# KiCad board PROC099A_PCB-PcbDoc.kicad_pcb (continued)
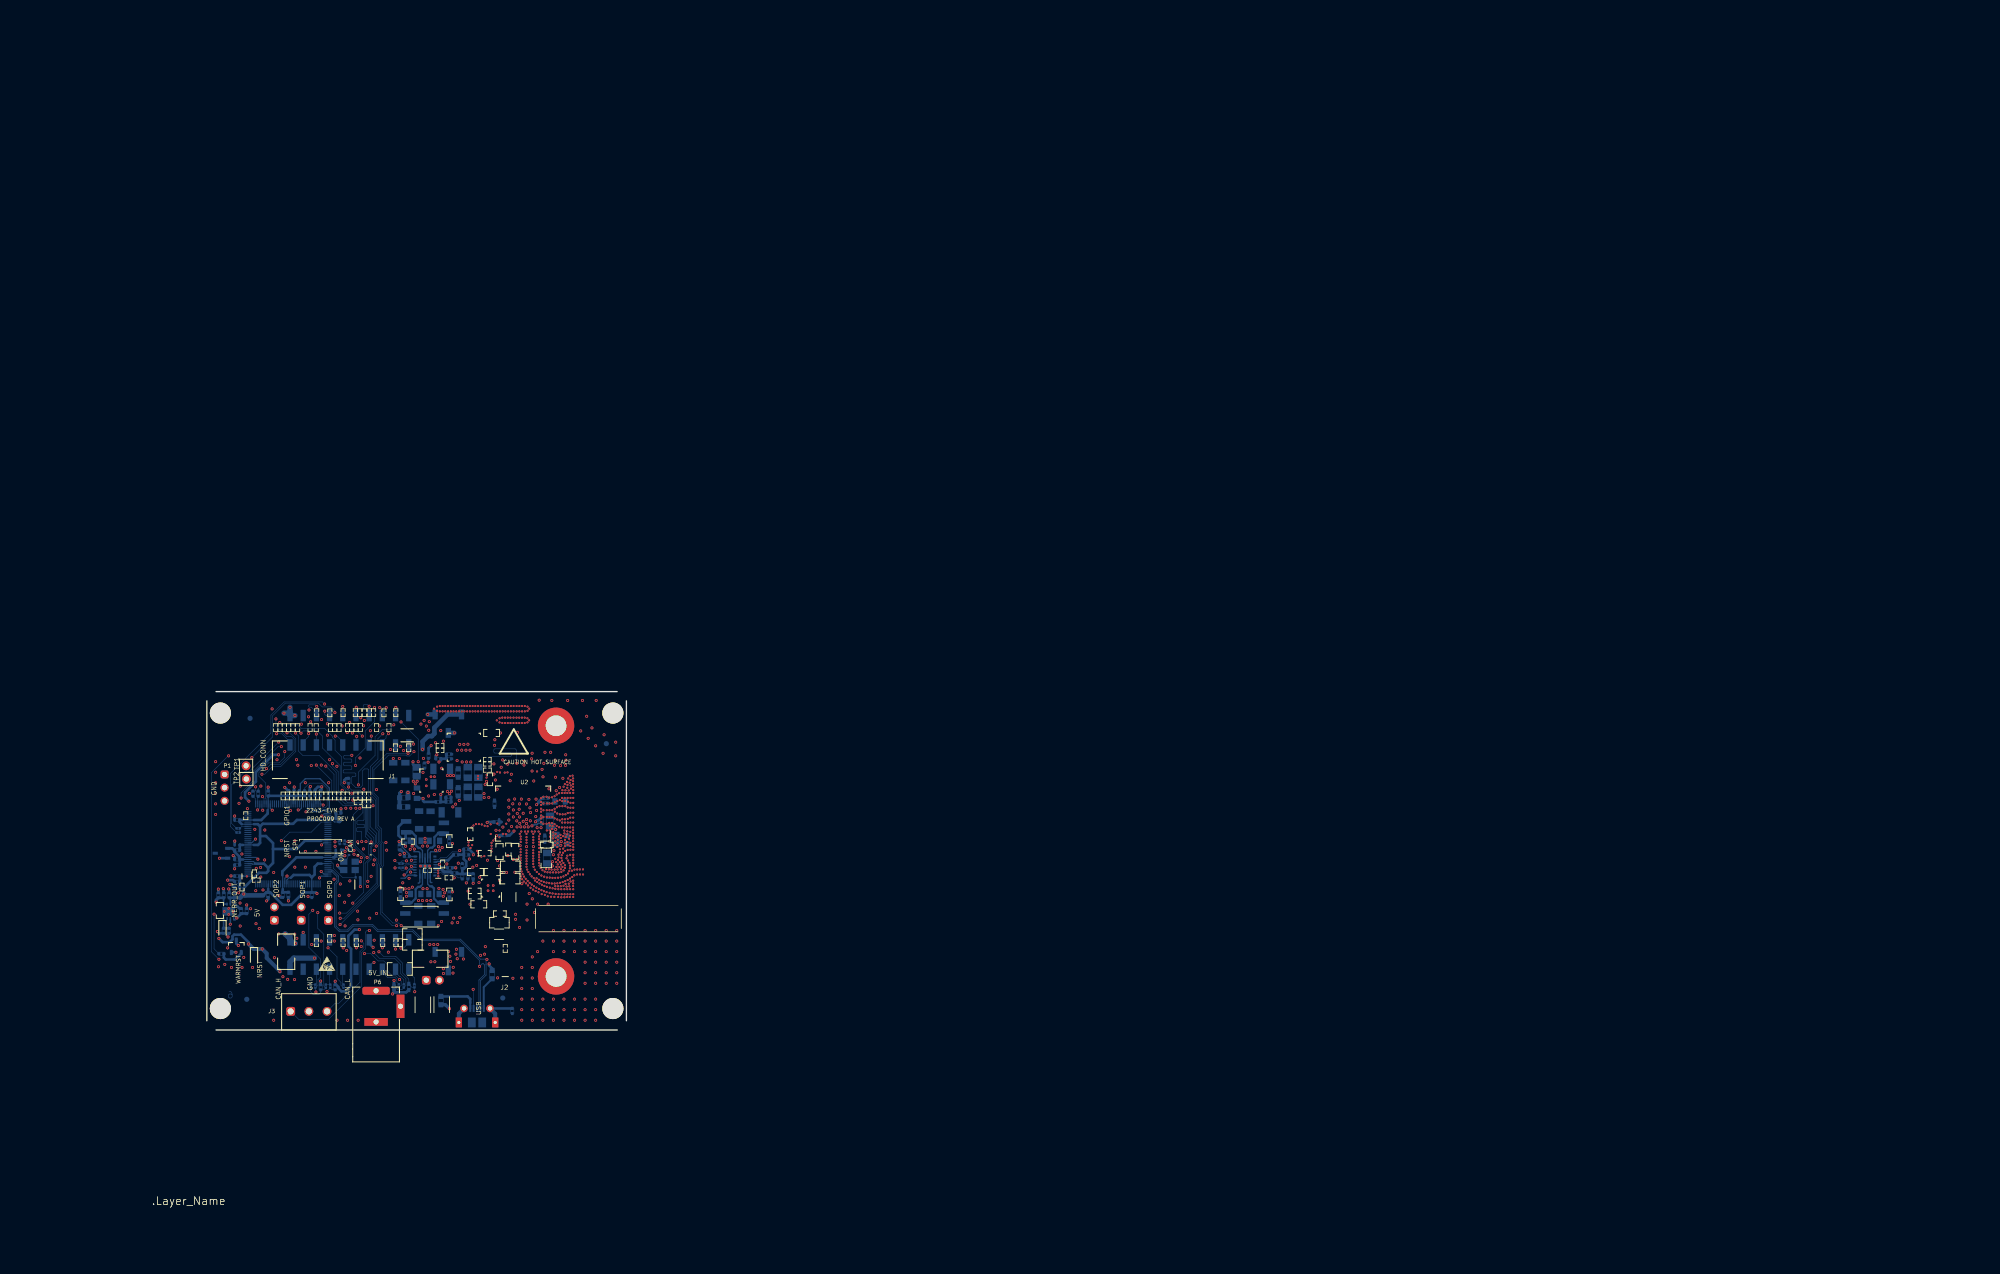
[diagram p0: board, top side]
## Copper pours and planes (outline as drawn; the poured copper is in the pictures) (continued)
(no net) on In7.Cu: 47.44,15.43 47.44,12.53 47.43,12.53 47.34,12.52 47.26,12.49 47.18,12.45 47.11,12.39 47.05,12.32 47.01,12.24 46.98,12.16 46.98,12.07 46.98,11.98 47.01,11.89 47.05,11.81 47.11,11.75 47.18,11.69 47.26,11.65 47.34,11.62 47.43,11.61 47.44,11.6 47.44,11.47 47.39,11.42 47.3,11.41 47.21,11.38 47.14,11.34 47.07,11.28 47.01,11.22 46.97,11.14 46.94,11.05 46.93,10.96 46.94,10.87 46.97,10.79 47.01,10.71 47.07,10.64 47.14,10.58 47.21,10.54 47.3,10.51 47.39,10.5 47.44,10.46 47.44,8.62 43.94,8.62 43.94,11.29 44.41,11.76 44.41,15.02 44.95,15.56 47.31,15.56
(no net) on In7.Cu: 77.45,42.51 76.53,42.51 76.53,43.11 76.73,43.11 76.73,43.21 75.3,43.21 75.3,42.51 74.33,42.51 74.33,43.21 73.1,43.21 73.1,42.51 72.13,42.51 72.13,43.21 71,43.21 71,43.17 70,43.17 70,43.35 71,43.35 71,43.31 72.13,43.31 72.13,44.01 73.1,44.01 73.1,43.31 74.33,43.31 74.33,44.01 75.3,44.01 75.3,43.31 76.73,43.31 76.73,43.41 76.53,43.41 76.53,44.01 77.45,44.01
(no net) on In7.Cu: 44.73,30.54 44.73,29.41 44.38,29.41 44.38,30.03 43.81,30.03 43.81,30.28 44.38,30.28 44.38,30.98 44.73,30.98
(no net) on In7.Cu: 77.45,44.41 76.53,44.41 76.53,45.01 76.73,45.01 76.73,45.11 75.3,45.11 75.3,44.41 74.33,44.41 74.33,45.11 73.1,45.11 73.1,44.41 72.13,44.41 72.13,45.11 71,45.11 71,45.07 70,45.07 70,45.25 71,45.25 71,45.21 72.13,45.21 72.13,45.91 73.1,45.91 73.1,45.21 74.33,45.21 74.33,45.91 75.3,45.91 75.3,45.21 76.73,45.21 76.73,45.31 76.53,45.31 76.53,45.91 77.45,45.91
(no net) on In7.Cu: 38.53,6.32 38.53,5.36 40.35,3.53 46.4,3.53 46.45,3.48 46.45,1.85 45.59,0.99 30.96,0.99 30.32,1.63 30.32,4.5 30.75,4.93 34.87,4.93 36.84,6.9 37.95,6.9
(no net) on In7.Cu: 36.95,58.14 36.95,55.4 36.93,55.37 36.04,55.37 34.89,54.23 34.89,50.95 34.59,50.65 32.81,50.65 32.07,49.91 32.07,48.03 30.46,48.03 30.41,48.09 30.41,50.53 30.4,50.54 30.4,50.8 30.93,51.33 32.73,51.33 33.04,51.64 33.04,53.09 32.66,53.47 30.07,53.47 29.91,53.63 29.91,56.06 34.33,56.06 34.89,56.61 34.96,56.6 35.05,56.61 35.13,56.64 35.21,56.68 35.28,56.74 35.34,56.8 35.38,56.88 35.41,56.97 35.42,57.06 35.41,57.13 35.5,57.23 35.5,58.14 35.68,58.32 35.88,58.32 35.9,58.31 35.99,58.3 36.08,58.31 36.1,58.32 36.77,58.32
(no net) on In7.Cu: 77.45,33.47 76.53,33.47 76.53,34.07 76.73,34.07 76.73,34.17 75.3,34.17 75.3,33.47 74.33,33.47 74.33,34.17 73.1,34.17 73.1,33.47 72.13,33.47 72.13,34.17 71,34.17 71,34.13 70,34.13 70,34.31 71,34.31 71,34.27 72.13,34.27 72.13,34.97 73.1,34.97 73.1,34.27 74.33,34.27 74.33,34.97 75.3,34.97 75.3,34.27 76.73,34.27 76.73,34.37 76.53,34.37 76.53,34.97 77.45,34.97
(no net) on In7.Cu: 48.08,50.73 49.18,49.63 49.18,47.31 46.93,45.06 46.48,45.06 45.94,45.59 45.94,47.27 46.39,47.72 46.45,47.78 46.49,47.86 46.51,47.94 46.52,48.02 46.52,48.56 46.74,48.56 46.81,48.54 46.9,48.53 46.99,48.54 47.06,48.56 47.33,48.56 47.4,48.54 47.49,48.53 47.58,48.54 47.66,48.56 47.74,48.61 47.81,48.66 47.87,48.73 47.91,48.81 47.94,48.9 47.94,48.99 47.94,49.07 47.91,49.16 47.87,49.24 47.81,49.31 47.74,49.37 47.66,49.41 47.58,49.43 47.49,49.44 47.4,49.43 47.33,49.41 47.06,49.41 46.99,49.43 46.9,49.44 46.81,49.43 46.74,49.41 46.47,49.41 46.39,49.43 46.31,49.44 46.22,49.43 46.13,49.41 46.05,49.37 45.98,49.31 45.93,49.24 45.89,49.17 45.79,49.07 45.74,49.01 45.7,48.94 45.67,48.86 45.67,48.77 45.67,48.39 45.54,48.33 45.52,48.34 45.46,48.37 45.38,48.38 44.88,48.38 44.81,48.44 44.81,49.32 44.81,49.34 46.2,50.73
(no net) on In7.Cu: outline of 81 points within 29.59,6.57 36.53,12.7
(no net) on In7.Cu: 41.44,49.16 41.52,49.13 41.61,49.13 41.65,49.09 41.65,48.44 41.58,48.38 41.08,48.38 41.01,48.37 40.94,48.34 40.88,48.3 40.84,48.24 40.81,48.17 40.8,48.1 40.8,47.96 40.81,47.88 40.84,47.82 40.88,47.76 40.94,47.71 41.01,47.69 41.08,47.68 41.58,47.68 41.65,47.62 41.65,46.76 41.6,46.7 40.2,46.7 39.45,47.45 39.45,48.25 39.94,48.25 39.94,48.99 40.03,49.08 40.94,49.08 40.94,49.17 41.42,49.17
(no net) on In7.Cu: 56.06,59.8 56.06,59.45 56.46,59.45 56.91,59.36 60.97,59.36 61.42,59.45 61.82,59.45 61.82,59.8 61.42,59.8 60.97,59.88 56.91,59.88 56.46,59.8
(no net) on In7.Cu: 53.77,48.25 53.96,48.24 54.79,48.24 54.81,48.22 54.81,47.93 54.82,47.87 54.84,47.81 54.87,47.77 54.9,47.75 54.9,47.33 54.53,46.96 52.71,46.96 52.49,47.18 52.49,48.06 52.54,48.1 53.34,48.1 53.34,48.25 53.76,48.25
(no net) on In7.Cu: 77.45,40.61 76.53,40.61 76.53,41.21 76.73,41.21 76.73,41.31 75.3,41.31 75.3,40.61 74.33,40.61 74.33,41.31 73.1,41.31 73.1,40.61 72.13,40.61 72.13,41.31 71,41.31 71,41.27 70,41.27 70,41.45 71,41.45 71,41.41 72.13,41.41 72.13,42.11 73.1,42.11 73.1,41.41 74.33,41.41 74.33,42.11 75.3,42.11 75.3,41.41 76.73,41.41 76.73,41.51 76.53,41.51 76.53,42.11 77.45,42.11
(no net) on In7.Cu: 58.08,32.44 58.08,30.3 58.19,30.2 58.18,29.96 58.55,29.6 58.55,28.12 58.88,28.12 59.25,27.75 59.25,26.61 59.12,26.48 57.03,26.48 56.38,27.13 56.38,28.11 56.22,28.27 55.57,28.27 55.53,28.29 55.46,28.3 54.86,28.3 54.78,28.37 54.78,29.17 55.26,29.64 55.26,32.03 56.2,32.03 56.83,32.65 57.87,32.65
(no net) on In7.Cu: 46.86,37.28 47.05,37.09 47.05,36.66 46.95,36.56 44.16,36.56 43.94,36.33 43.94,35.19 43.45,34.71 40.71,34.71 40.43,34.99 40.43,35.55 40.05,35.93 38.91,35.93 38.91,36.53 39.65,37.28
(no net) on In7.Cu: 44.05,61.94 44.05,61.79 44.35,61.79 44.95,61.77 59.09,61.77 60.84,61.77 61.44,61.79 61.74,61.79 61.74,61.94 61.44,61.94 60.84,61.95 44.95,61.95 44.35,61.94
(no net) on In7.Cu: 65.04,37.87 65.06,37.82 65.05,37.77 65.06,37.69 65.08,37.62 65.09,37.59 65.09,37.29 65.08,37.27 65.06,37.19 65.05,37.12 65.06,37.04 65.08,36.97 65.09,36.94 65.09,34.95 65.25,34.8 67.13,34.8 67.28,34.65 67.28,33.53 67.15,33.4 64.79,33.4 64.43,33.76 64.43,35.96 64.56,36.09 64.56,36.91 64.56,37.88 64.62,37.95 64.96,37.95
(no net) on In7.Cu: 77.45,25.87 76.53,25.87 76.53,26.47 76.73,26.47 76.73,26.57 75.3,26.57 75.3,25.87 74.33,25.87 74.33,26.57 73.1,26.57 73.1,25.87 72.13,25.87 72.13,26.57 71,26.57 71,26.53 70,26.53 70,26.71 71,26.71 71,26.67 72.13,26.67 72.13,27.37 73.1,27.37 73.1,26.67 74.33,26.67 74.33,27.37 75.3,27.37 75.3,26.67 76.73,26.67 76.73,26.77 76.53,26.77 76.53,27.37 77.45,27.37
(no net) on In7.Cu: 44.22,26.86 44.22,25.51 44.49,25.23 45.74,25.23 46.02,25.51 46.02,25.62 46.32,25.92 47.06,25.92 47.16,25.82 47.16,25.31 46.02,24.17 37.15,24.17 36.85,24.47 36.85,25.9 36.93,25.97 37.81,25.97 37.93,25.86 37.93,25.35 38.14,25.13 39.57,25.13 39.64,25.21 39.64,26.89 39.87,27.11 39.9,27.14 39.95,27.19 40.33,27.57 43.5,27.57
(no net) on In7.Cu: 43.95,62.04 43.95,61.69 44.35,61.69 44.8,61.6 60.99,61.6 61.44,61.69 61.84,61.69 61.84,62.04 61.44,62.04 60.99,62.12 44.8,62.12 44.35,62.04
(no net) on In7.Cu: 45.65,22.81 45.65,21.31 45.66,21.3 45.66,20.29 45.12,19.75 42.82,19.75 42.11,20.46 42.11,22.88 42.66,23.43 45.03,23.43
(no net) on In8.Cu: -42.91,1468.41 1475.58,1468.41 -42.91,-50.08
(no net) on In8.Cu: 56.57,40.5 56.92,40.84 57.05,40.84 57.08,40.88 57.35,40.88 57.35,40.69 57.07,40.69 56.59,40.22 55.44,40.22 55.08,39.85 54.41,39.85 54.11,39.54 53.75,39.54 53.4,39.89 51.55,39.89 50.15,38.5 50.15,35.38 50.94,34.6 51.64,34.6 52.04,34.2 52.04,33.32 52.21,33.16 53.41,33.16 53.95,33.7 54.45,33.7 55.02,34.27 55.02,36.06 56.04,37.08 56.34,36.78 55.4,35.83 55.4,34.13 54.61,33.35 54.07,33.35 53.61,32.88 51.96,32.88 51.75,33.09 51.75,33.99 51.45,34.28 50.72,34.28 49.8,35.2 49.8,38.65 51.36,40.22 53.57,40.22 53.71,40.36 54.23,40.36 54.43,40.16 54.93,40.16 55.27,40.5
AR_1P3_RF1 on Bottom: outline of 87 points within 46.02,40.82 70.85,49.52
AR_1P3_RF1 on In7.Cu: 49.18,47.31 49.18,49.63 48.08,50.73 46.2,50.73 44.74,49.27 44.74,48.43 44.88,48.29 45.53,48.29 45.94,47.88 45.94,45.59 46.48,45.06 46.93,45.06
AR_1P3_RF2 on Bottom: 49.36,47.83 49.03,47.5 47.33,47.5 46,48.83 46,51.09 46.81,51.9 46.81,53.38 47.42,53.38 47.42,51.02 47.54,50.89 47.54,49.64 47.8,49.39 53.22,49.39 55.95,52.12 59.03,52.12 59.56,52.64 59.56,53.46 60.64,54.54 63.18,54.54 63.9,53.81 72.21,53.81 73.79,52.23 73.79,39.61 71.04,36.87 64.3,36.87 62.98,38.19 62.98,38.85 63.37,39.24 64.46,39.24 64.69,39.01 64.69,38.91 65.47,38.13 67.22,38.13 68.36,38.13 71.52,41.28 71.52,48.56 70.2,49.88 62.93,49.88 62.25,49.2 61.42,48.37 57.68,48.37 56.13,48.36 55.17,48.36 55,48.2 53.4,48.2 53.04,47.83
AR_1P3_RF2 on In7.Cu: 44.72,46.87 44.72,47.65 44.87,47.79 45.55,47.79 45.68,47.67 45.68,46.75 45.53,46.6 44.98,46.6
AR_1V2 on Bottom: 46.97,41.4 47.5,40.87 49.07,40.87 49.24,41.04 49.24,42.97 48.39,43.81 47.58,43.81 47.12,43.33 46.97,43.19
AR_1V2 on In3.Cu: 46.9,40.78 45.87,41.81 45.87,43.41 46.42,43.97 47.07,43.97 51.96,48.85 57.5,48.85 59,50.34 62.7,50.34 63.11,49.93 63.11,46.99 62.01,45.89 61.35,45.89 61.11,45.64 60.29,45.64 59.76,45.11 59.76,44.35 59.46,44.04 59,44.04 58.79,44.25 58.79,44.5 58.44,44.86 57.83,44.86 57.52,44.55 57.52,41.25 57.88,40.89 58.29,40.89 58.59,40.59 58.59,40.23 58.34,39.98 56.36,39.98 55.56,40.78
AR_1V2 on In7.Cu: 62.17,50.33 62.81,50.33 63.04,50.1 63.04,47.4 62.43,46.79 62.43,46.01 62.34,45.93 62.08,45.93 61.99,46.02 61.99,46.41 61.5,46.9 61.5,49.67
AR_1V2 on In7.Cu: 54.53,46.96 52.71,46.96 52.49,47.18 52.49,48.06 52.69,48.25 54.77,48.25 54.9,48.13 54.9,47.33
AR_1V8 on Bottom: 64.18,40.46 64.18,41.35 64.46,41.63 66.79,41.63 66.8,41.62 66.8,40.54 64.92,40.54 64.84,40.46
AR_1V8 on Bottom: outline of 331 points within 52.9,28.41 59.05,43.61
AR_1V8 on In3.Cu: outline of 359 points within 51.95,25.67 67.68,44.5
AR_1V8 on In7.Cu: 56.38,28.11 56.38,27.13 57.03,26.48 59.12,26.48 59.25,26.61 59.25,27.75 58.74,28.27 58.74,29.41 58.18,29.96 58.19,30.2 58.08,30.3 58.08,32.44 57.87,32.65 56.83,32.65 56.2,32.03 55.26,32.03 55.26,29.64 54.78,29.17 54.78,28.37 54.88,28.27 56.22,28.27
AR_VOUT_PA on Bottom: 68.88,36.25 70,36.25 70,34.24 69.16,33.4 64.61,33.4 64.51,33.5 64.51,34.62 64.66,34.77 68.37,34.77 68.88,35.28
AR_VOUT_PA on In7.Cu: 65.06,37.95 65.09,37.91 65.09,34.95 65.25,34.8 67.13,34.8 67.28,34.65 67.28,33.53 67.15,33.4 64.79,33.4 64.43,33.76 64.43,35.96 64.56,36.09 64.56,36.91 64.56,37.88 64.62,37.95
MCU_5V on Bottom: 13.94,15.91 13.15,16.7 13.15,19.16 13.28,19.29 17.11,19.29 17.27,19.14 17.27,18.38 16.83,17.95 16.83,17.44 17.44,16.83 17.44,15.99 17.37,15.91
MCU_5V on Bottom: 47.9,12.95 47.47,13.39 47.47,16.21 47.8,16.54 48.96,16.54 50.64,14.86 50.64,13.18 50.41,12.95
MCU_5V on In2.Cu: 19.04,19.19 24.84,13.39 37.02,13.39 39.08,15.45 45.37,15.45 46.09,16.17 48.33,16.17 50.01,14.49 50.01,10.26 47.55,7.8 40.82,7.8 38.31,10.31 19.04,10.31 12.9,16.46 12.9,19 13.09,19.19
MCU_5V on In7.Cu: 13.89,17.73 13.2,18.42 13.2,19.23 13.58,19.61 17.24,19.61 17.55,19.3 17.55,18.59 16.66,17.7 16.66,16.99 16.63,16.97 13.91,16.97 13.89,16.99
NetC26_1 on In7.Cu: 41.04,8.14 39.31,9.86 39.31,19.49 40.29,20.47 40.29,23.18 40.12,23.36 38.14,23.36 37.71,22.92 37.71,16.02 37.82,15.91 37.83,15.87 37.84,15.82 37.84,15.78 37.84,15.74 37.84,15.7 37.83,15.65 37.82,15.61 37.8,15.56 37.8,15.47 37.36,15.03 37.36,10.25 37.61,10 37.61,7.96 39.3,6.27 39.3,5.78 40.44,4.64 46.47,4.64 46.69,4.86 46.69,7.04 45.57,8.16 43.49,8.16 43.47,8.14
NetF1_2 on In7.Cu: 30.05,6.57 29.59,7.03 29.59,10.24 30.55,11.2 34.33,11.2 34.81,11.68 34.81,12.52 34.99,12.7 36.53,12.7 36.53,9.98 36.33,9.93 36.29,9.95 36.26,9.97 36.22,9.99 36.18,10 36.14,10.02 36.09,10.02 36.05,10.03 36.01,10.03 35.97,10.02 35.93,10.01 35.88,10 35.84,9.99 35.81,9.97 35.77,9.95 35.73,9.92 35.7,9.89 35.67,9.86 35.65,9.83 35.62,9.8 35.6,9.76 35.58,9.72 35.57,9.68 35.56,9.64 35.55,9.6 35.55,9.55 35.55,9.51 35.55,9.47 35.56,9.43 35.57,9.39 35.59,9.35 35.61,9.31 35.63,9.27 35.65,9.24 35.68,9.2 35.71,9.17 35.74,9.15 35.78,9.12 35.82,9.1 35.85,9.08 35.89,9.07 35.94,9.06 35.98,9.05 36.02,9.05 36.06,9.05 36.11,9.05 36.15,9.06 36.19,9.07 36.23,9.09 36.27,9.11 36.3,9.13 36.34,9.15 36.53,9.1 36.53,8.07 35.03,6.57
NetJ1_1 on In7.Cu: 30.41,48.03 30.41,50.53 30.4,50.53 30.4,50.8 30.93,51.33 32.73,51.33 33.04,51.64 33.04,53.09 32.66,53.47 30.07,53.47 29.91,53.63 29.91,56.06 34.33,56.06 35.5,57.23 35.5,58.14 35.68,58.32 36.77,58.32 36.95,58.14 36.95,55.4 36.93,55.37 36.04,55.37 34.89,54.23 34.89,50.95 34.59,50.65 32.81,50.65 32.07,49.91 32.07,48.03
NetJ8_6 on Bottom: 54.31,0.5 55.51,0.5 55.51,2.4 54.31,2.4
NetJ8_6 on Bottom: 48.51,0.5 49.71,0.5 49.71,2.4 48.51,2.4
PMIC_1V0 on Bottom: 42.64,50.76 42.88,51 42.88,51.37 43.04,51.53 44.06,51.53 45.58,50.02 45.58,48.46 45.58,44.78 44.28,43.49 42.1,43.49 39.91,45.95 37.36,45.95 36.7,45.29 36.71,30.5 37.05,30.5 37.69,29.86 37.69,29.03 37.18,28.52 37.18,23.85 38.88,23.85 41.65,21.08 41.65,20.06 41.52,19.92 36.14,19.92 33.67,22.39 33.67,36.5 33.05,37.12 33.05,47.75 34.14,48.84 38.95,48.84 39.69,49.59 41.26,49.59 41.59,49.92 41.59,50.71 41.65,50.76
PMIC_1V0 on In7.Cu: 39.45,47.45 40.2,46.7 41.6,46.7 41.79,46.89 41.79,49.04 41.6,49.23 40.17,49.23 39.45,48.5
PMIC_1V2 on Bottom: 45.88,41.13 45.88,42.81 45.77,42.92 42.47,42.92 42.07,42.51 42.07,40.79 43.88,38.97 46.73,38.97 47.06,38.63 47.06,35.92 45.31,34.17 43.47,34.17 43.38,34.07 43.38,33.1 43.45,33.02 44.16,33.02 44.31,33.17 45.98,33.17 47.35,34.55 48.44,34.55 49.77,35.88 49.77,38.92 48.21,40.48 46.53,40.48
PMIC_1V8 on Bottom: 45.81,23.1 47.12,24.41 47.12,26.67 44.95,28.85 43.57,28.85 43.23,29.18 43.23,29.99 43.52,30.27 45.13,30.27 45.47,29.93 47.88,29.93 49.72,28.09 49.72,20.53 48.39,19.2 42.23,19.2 42.23,22.37 42.96,23.09
PMIC_1V8 on In7.Cu: 59.12,26.24 59.58,25.78 59.58,23.53 59.35,23.3 56.7,23.3 56.24,22.85 56.24,17.4 55.84,17 46.86,17 46.86,23.44 53.91,23.44 54.64,24.17 54.64,25.99 54.89,26.24
PMICOUT_3V3 on Bottom: 41.23,43.47 41.73,42.98 41.73,41.12 40.3,39.7 37.36,39.7 37.36,41.45 38.08,42.17 38.08,43.47
RX1 on In7.Cu: 75.3,45.91 74.33,45.91 74.33,45.21 73.1,45.21 73.1,45.91 72.13,45.91 72.13,45.21 71,45.21 71,45.25 70,45.25 70,45.07 71,45.07 71,45.11 72.13,45.11 72.13,44.41 73.1,44.41 73.1,45.11 74.33,45.11 74.33,44.41 75.3,44.41 75.3,45.11 76.73,45.11 76.73,45.01 76.53,45.01 76.53,44.41 77.45,44.41 77.45,45.91 76.53,45.91 76.53,45.31 76.73,45.31 76.73,45.21 75.3,45.21
RX2 on In7.Cu: 75.3,44.01 74.33,44.01 74.33,43.31 73.1,43.31 73.1,44.01 72.13,44.01 72.13,43.31 71,43.31 71,43.35 70,43.35 70,43.17 71,43.17 71,43.21 72.13,43.21 72.13,42.51 73.1,42.51 73.1,43.21 74.33,43.21 74.33,42.51 75.3,42.51 75.3,43.21 76.73,43.21 76.73,43.11 76.53,43.11 76.53,42.51 77.45,42.51 77.45,44.01 76.53,44.01 76.53,43.41 76.73,43.41 76.73,43.31 75.3,43.31
RX3 on In7.Cu: 75.3,42.11 74.33,42.11 74.33,41.41 73.1,41.41 73.1,42.11 72.13,42.11 72.13,41.41 71,41.41 71,41.45 70,41.45 70,41.27 71,41.27 71,41.31 72.13,41.31 72.13,40.61 73.1,40.61 73.1,41.31 74.33,41.31 74.33,40.61 75.3,40.61 75.3,41.31 76.73,41.31 76.73,41.21 76.53,41.21 76.53,40.61 77.45,40.61 77.45,42.11 76.53,42.11 76.53,41.51 76.73,41.51 76.73,41.41 75.3,41.41
RX4 on In7.Cu: 75.3,40.21 74.33,40.21 74.33,39.51 73.1,39.51 73.1,40.21 72.13,40.21 72.13,39.51 71,39.51 71,39.55 70,39.55 70,39.37 71,39.37 71,39.41 72.13,39.41 72.13,38.71 73.1,38.71 73.1,39.41 74.33,39.41 74.33,38.71 75.3,38.71 75.3,39.41 76.73,39.41 76.73,39.31 76.53,39.31 76.53,38.71 77.45,38.71 77.45,40.21 76.53,40.21 76.53,39.61 76.73,39.61 76.73,39.51 75.3,39.51
TX1 on In7.Cu: 75.3,34.97 74.33,34.97 74.33,34.27 73.1,34.27 73.1,34.97 72.13,34.97 72.13,34.27 71,34.27 71,34.31 70,34.31 70,34.13 71,34.13 71,34.17 72.13,34.17 72.13,33.47 73.1,33.47 73.1,34.17 74.33,34.17 74.33,33.47 75.3,33.47 75.3,34.17 76.73,34.17 76.73,34.07 76.53,34.07 76.53,33.47 77.45,33.47 77.45,34.97 76.53,34.97 76.53,34.37 76.73,34.37 76.73,34.27 75.3,34.27
TX2 on In7.Cu: 77.2,31.17 76.23,31.17 76.23,30.47 75,30.47 75,31.17 74.03,31.17 74.03,30.47 72.9,30.47 72.9,30.51 71.9,30.51 71.9,30.33 72.9,30.33 72.9,30.37 74.03,30.37 74.03,29.67 75,29.67 75,30.37 76.23,30.37 76.23,29.67 77.2,29.67 77.2,30.37 78.63,30.37 78.63,30.27 78.43,30.27 78.43,29.67 79.35,29.67 79.35,31.17 78.43,31.17 78.43,30.57 78.63,30.57 78.63,30.47 77.2,30.47
TX3 on In7.Cu: 75.3,27.37 74.33,27.37 74.33,26.67 73.1,26.67 73.1,27.37 72.13,27.37 72.13,26.67 71,26.67 71,26.71 70,26.71 70,26.53 71,26.53 71,26.57 72.13,26.57 72.13,25.87 73.1,25.87 73.1,26.57 74.33,26.57 74.33,25.87 75.3,25.87 75.3,26.57 76.73,26.57 76.73,26.47 76.53,26.47 76.53,25.87 77.45,25.87 77.45,27.37 76.53,27.37 76.53,26.77 76.73,26.77 76.73,26.67 75.3,26.67

Small or netless copper shapes (teardrops, artwork), in the pictures only: 10 on Bottom, 49 on In2.Cu, 93 on In3.Cu, 11 on In5.Cu, 1 on In6.Cu, 12 on In7.Cu, 14 on In8.Cu

## Text on the board
B.Courtyard: .Layer_Name
Bottom: 6 | .Layer_Name
B.Mask: .Layer_Name
B.Paste: .Layer_Name
B.Silkscreen: U6 | J5 | 3V3 | U8 | GND | .Layer_Name
User.Comments: .Layer_Name
User.Drawings: .Layer_Name
User.Eco2: Slot definitions : | 15 | 621 | 2 | 1 | 8 | 5 | 3 | 4 | 667 Total | 508 | 508 Total | Routed Path Length | Hole Length | 7.87mil (0.200mm) | 12.20mil (0.310mm) | 23.62mil (0.600mm) | 33.47mil (0.850mm) | 39.37mil (1.000mm) | 40.00mil (1.016mm) | 40.16mil (1.020mm) | 47.24mil (1.200mm) | 157.48mil (4.000mm) | 160.00mil (4.064mm) | 5.90mil (0.150mm) | = Routed Path Length + Tool Size = Slot length as defined in the PCB layout | = Calculated from tool start centre position to tool end centre position. | PTH | NPTH | Round | Slot | - | 51.18mil (1.300mm) | 118.11mil (3.000mm) | 137.79mil (3.500mm) | 27.56mil (0.700mm) | 78.74mil (2.000mm) | 98.43mil (2.500mm) | TOP - L2 | TOP - BOTTOM | +0.00mil/-5.90mil | +0.00mil/-7.87mil | +0.00mil/-12.20mil | +/-3.00mil | +/-2.00mil | B | C | D | E | H | J | K | L | A | I | FAB | Symbol | DRILL CHART : | Count | Hole Size | Plated | Hole Type | Drill Layer Pair | Tolerance | Hole Tolerance
Edge.Cuts: .Layer_Name
F.Courtyard: .Layer_Name
F.Mask: .Layer_Name
F.Paste: .Layer_Name
F.Silkscreen: P1 | J3 | 2243-EVM | PROC099 REV A | P6 | J1 | CAUTION HOT SURFACE | U2 | WARMRST | 5V_IN | J2 | GND | NERR_OUT | TP2 | TP1 | 5V | NRST | HD_CONN | SOP2 | CAN_H | GPIO1 | SPI | SOP1 | SOP0 | CAN_L | CAN | USB | ON | .Layer_Name
In2.Cu: 3 | .Layer_Name
In3.Cu: 4 | .Layer_Name
In4.Cu: 5 | .Layer_Name
In5.Cu: PCB VIEWED FROM TOP SIDE | PLOT NAME = | .plot_File_Name | ASSEMBLY VARIANT: | COMPONENTS MARKED 'DNP' SHOULD NOT BE POPULATED. | .VariantName | BOARD #: | TID #: | GENERATED    : | .PRJ_Number | .TID | .Print_Date | REV: | .Print_Time | .PCB_Rev | SVN REV: | .VersionControl_RevNumber | TEXAS INSTRUMENTS
In6.Cu: TEXAS INSTRUMENTS | .VersionControl_RevNumber | SVN REV: | .PCB_Rev | .Print_Time | REV: | .Print_Date | .PRJ_Number | .TID | GENERATED    : | BOARD #: | TID #: | .VariantName | .plot_File_Name | ASSEMBLY VARIANT: | COMPONENTS MARKED 'DNP' SHOULD NOT BE POPULATED. | PCB VIEWED FROM BOTTOM SIDE | PLOT NAME =
In7.Cu: 1 | .Layer_Name
In8.Cu: 2 | .Layer_Name
In9.Cu: or any information contained therein. TI and/or its licensors do not warrant that this design will meet | the specifications, will be suitable for your application or fit for any particular purpose, or will operate in | an implementation. TI and/or its licensors do not warrant that the design is production worthy. You should | Texas Instruments (TI) and/or its licensors do not warrant the accuracy or completeness of this specification | completely validate and test your design implementation to confirm the system functionality for your application. | PROJECT TITLE: | DESIGNED FOR: | FILE NAME: | ENGINEER: | LAYOUT BY: | ALTIUM DESIGNER VERSION: | .Layer_Name | A | B | C | D | 1 | 2 | 3 | 4 | 5 | .PRJ_Title | .PRJ_Customer | .PCB_File_Name_No_Path | .PRJ_Engineer | .print_Scale | .PCB_Layout | .Application_BuildNumber | 6 | WO # : 307314-7312-D
In10.Cu: 57.14 MIL +/-10% | OUTER XX MIL TRACES REQUIRE 50 OHM SINGLE-ENDED IMPEDANCE | XX MIL VIAS REQUIRE NON-CONDUCTIVE FILL AND PLANARIZE | .Layer_Name | NOTES : UNLESS OTHERWISE SPECIFIED. | 10. THE FOUR GND NET ANTENNAS NEAR Y1 ARE INTENTIONAL | 2. ALL VIAS ON PAD INCLUDING BGA AREA SHOULD BE FILLED WITH NON CONDUCTIVE EPOXY AND SURFACE SHOULD BE FLAT | 3. MANUFACTURER'S IDENTIFICATION, DATECODE LETTER SHALL BE SILKSCREENED ON SOLDER SIDE OF THE BOARD. | 4. TRACE WIDTH SHOULD BE ACCURATELY ETCHED. MAX TOLERANCE +/- 1 MIL | 5. FOR IMPEDANCE DETAILS REFER STACKUP & IMPEDANCE TABLE. | 6. SOLDER MASK OPENING IS KEPT SAME SIZE AS PAD (1:1) FOR ALL COMPONENTS EXCEPT U2 | 7. SURFACE FINISH: IMMERSION SILVER | 8. SOLDERMASK ON BOTH SIDES OF THE BOARD SHALL BE LPI, COLOR RED. | 9. FOR ANTENNA ETCHING TOLERANCE REFER ''ANTENNA ETCHING REQUIREMETS'' DOCUMENT. | 1. ALL VIAS ARE TENTED ON BOTH SIDES UNLESS SOLDERMASK OPENED IN GERBER. | THE MANUFACTURER IS REQUESTED TO SIZE IT AS PER THEIR SOLDERMASK TOLERANCE. | THERE ARE MANY VIAS ON THE PCB WHICH ARE EITHER ON THE PADS OR CLOSE TO PADS | THESE NEED TO BE FILLED WITH A NON-CONDUCTIVE EPOXY TO ENSURE FLAT SURFACE. | BGA AREA VIAS SHOULD BE CAPPED WITH COPPER PLATING TO ENSURE FLAT SURFACE | FLATNESS TOLERANCE FOR VIA ON PADS: +0.000 /- 0.001 INCHES ON BOTH SIDES. | FOR U2 (BGA) PLEASE FOLLOW SAME SOLDERMASK SIZE AS GERBER | MATERIAL: | DRILLING: | BOARD FINISH: | SURFACE FINISH: | ARRAY/PANEL: | CERTIFICATION: | ADDITIONAL REQUIREMENTS: | ALL BOARDS MUST MEET OR EXCEED UL94-V0 REQUIREMENTS. | PCB MUST BEAR THE UL94V-0 UL REGISTERED MATERIAL ID NUMBER | PTH COPPER THICKNESS: | MINIMUM ANNULAR RING | REGISTRATION TOLERANCES: | HOLE SIZE TOLERANCE (UNLESS OTHERWISE SPECIFIED): | THICKNESS: | TOLERANCE: | BOW & TWIST: | REFERENCE: | MICROSECTION: | BARE BOARD ELEC. TEST: | SILKSCREEN: | SILKSCREEN COLOR: | SOLDER RESIST COLOR: | LAYER 2 & 3 (INNER LAYERS) XX MIL WIDE, XX MIL SPACE / TRACES REQUIRE 100 OHM DIFFERENTIAL IMPEDANCE | XX MIL VIAS REQUIRE CONDUCTIVE FILL AND PLANARIZE | PER | IMM. TIN/SILVER OR EQUIV | X | MIN. TRACK WIDTH: | MIN. CLEARANCE: | MIN. VIA PAD SIZE: | FR-408 | ANSI IPC-A-600F CLASS -> | IPC-D-275 CLASS 2 LEVEL C | MATERIALS AND WORKMANSHIP FOR ALL PCBS | TO MEET OR EXCEED THE REQUIREMENTS OF: | 62 MIL (1.6mm) +/-10% | AS SHOWN | YES | FR-4 High Tg | DESIGN INFORMATION | IMMERSION GOLD (ENIG) | N.C. ROUTE | CUT AND TRIM PER M1 BOARD OUTLINE | 0.05mm (2MIL) | OTHER +/- | ANSI IPC-6012 TYPE 3 CLASS 2 | TOP | WHITE | METAL | RoHS | 20-30 um | GREEN | MATTE | 13.77 | NONE | 3.9 | +/- | MIL | BOTTOM | OTHER | NC_DRILL FILES | EXTERNAL | REQUIRED | 2 | V. SCORE | 1 | SEMI-GLOSS | MIL, HOLES | REFER NOTE 7 | REFER STACKUP | REFER NOTE 8 | PER ORDER | ENEPIG | 3
In11.Cu: ALL ARTWORK VIEWED FROM TOP SIDE | LAYER NAME = | BOARD #: | TID #: | GENERATED    : | .PRJ_Number | .TID | .Print_Date | REV: | .Print_Time | .PCB_Rev | SVN REV: | .VersionControl_RevNumber | TEXAS INSTRUMENTS
In12.Cu: Layer | 1 | 2 | 3 | 4 | 5 | 6 | 7 | 8 | 9 | 10 | 11 | 12 | 13 | 14 | 15 | 16 | 17 | Name | Top Overlay | Top Solder | TOP | Dielectric 1 | L2 | Dielectric2 | Dielectric 3 | L3 | Dielectric4 | L4 | Dielectric5 | Dielectric 6 | L5 | Dielectric7 | BOTTOM | Bottom Solder | Bottom Overlay | Material | Solder Resist | Copper | RO4835 LOPRO | FR4 370HR | Thickness | 0.80mil | 1.60mil | 4.00mil | 1.20mil | 2.85mil | 28.00mil | 2.92mil | Constant | 3.5 | 3.66 | 3.9 | 4.36 | 4.26 | Board Layer Stack | LAYER STACKUP : | .Layer_Name | L1-L6 | L1-L2 | IMPEDANCE TABLE : | LAYER NO | 1 (TOP) | CONDUCTOR WIDTH | 7.08mil | 5.2mil | DIFF. / PAIR / SPACING | N/A | 5mil | CPWG / SPACING | 6.73mil | IMPEDANCE +/-10% | 50ohm | 100ohm | REFERENCE GND | GND | NOTE : | EXTERNAL LAYER CU THICKNESSES ARE FINISHED THICKNESS AFTER PLATING. | THIS IS AN IMPEDANCE CONTROLLED BOARD.
